# Altium PCB BLDC_DRIVER_v1.0.PcbDoc (part 2 of 3)
Units mm, origin at the board's own origin, x right, y up, seen from the top; angles counter-clockwise.
Board outline 152.4 x 101.6 mm, 6 copper layers (Top Layer, Internal Plane 1, Signal Layer 1, Signal Layer 2, Internal Plane 2, Bottom Layer), stack 1.3 mm thick; 189 components, 186 nets, 846 pads, 334 vias.
Unrouted connection lines stored in the file: 1.
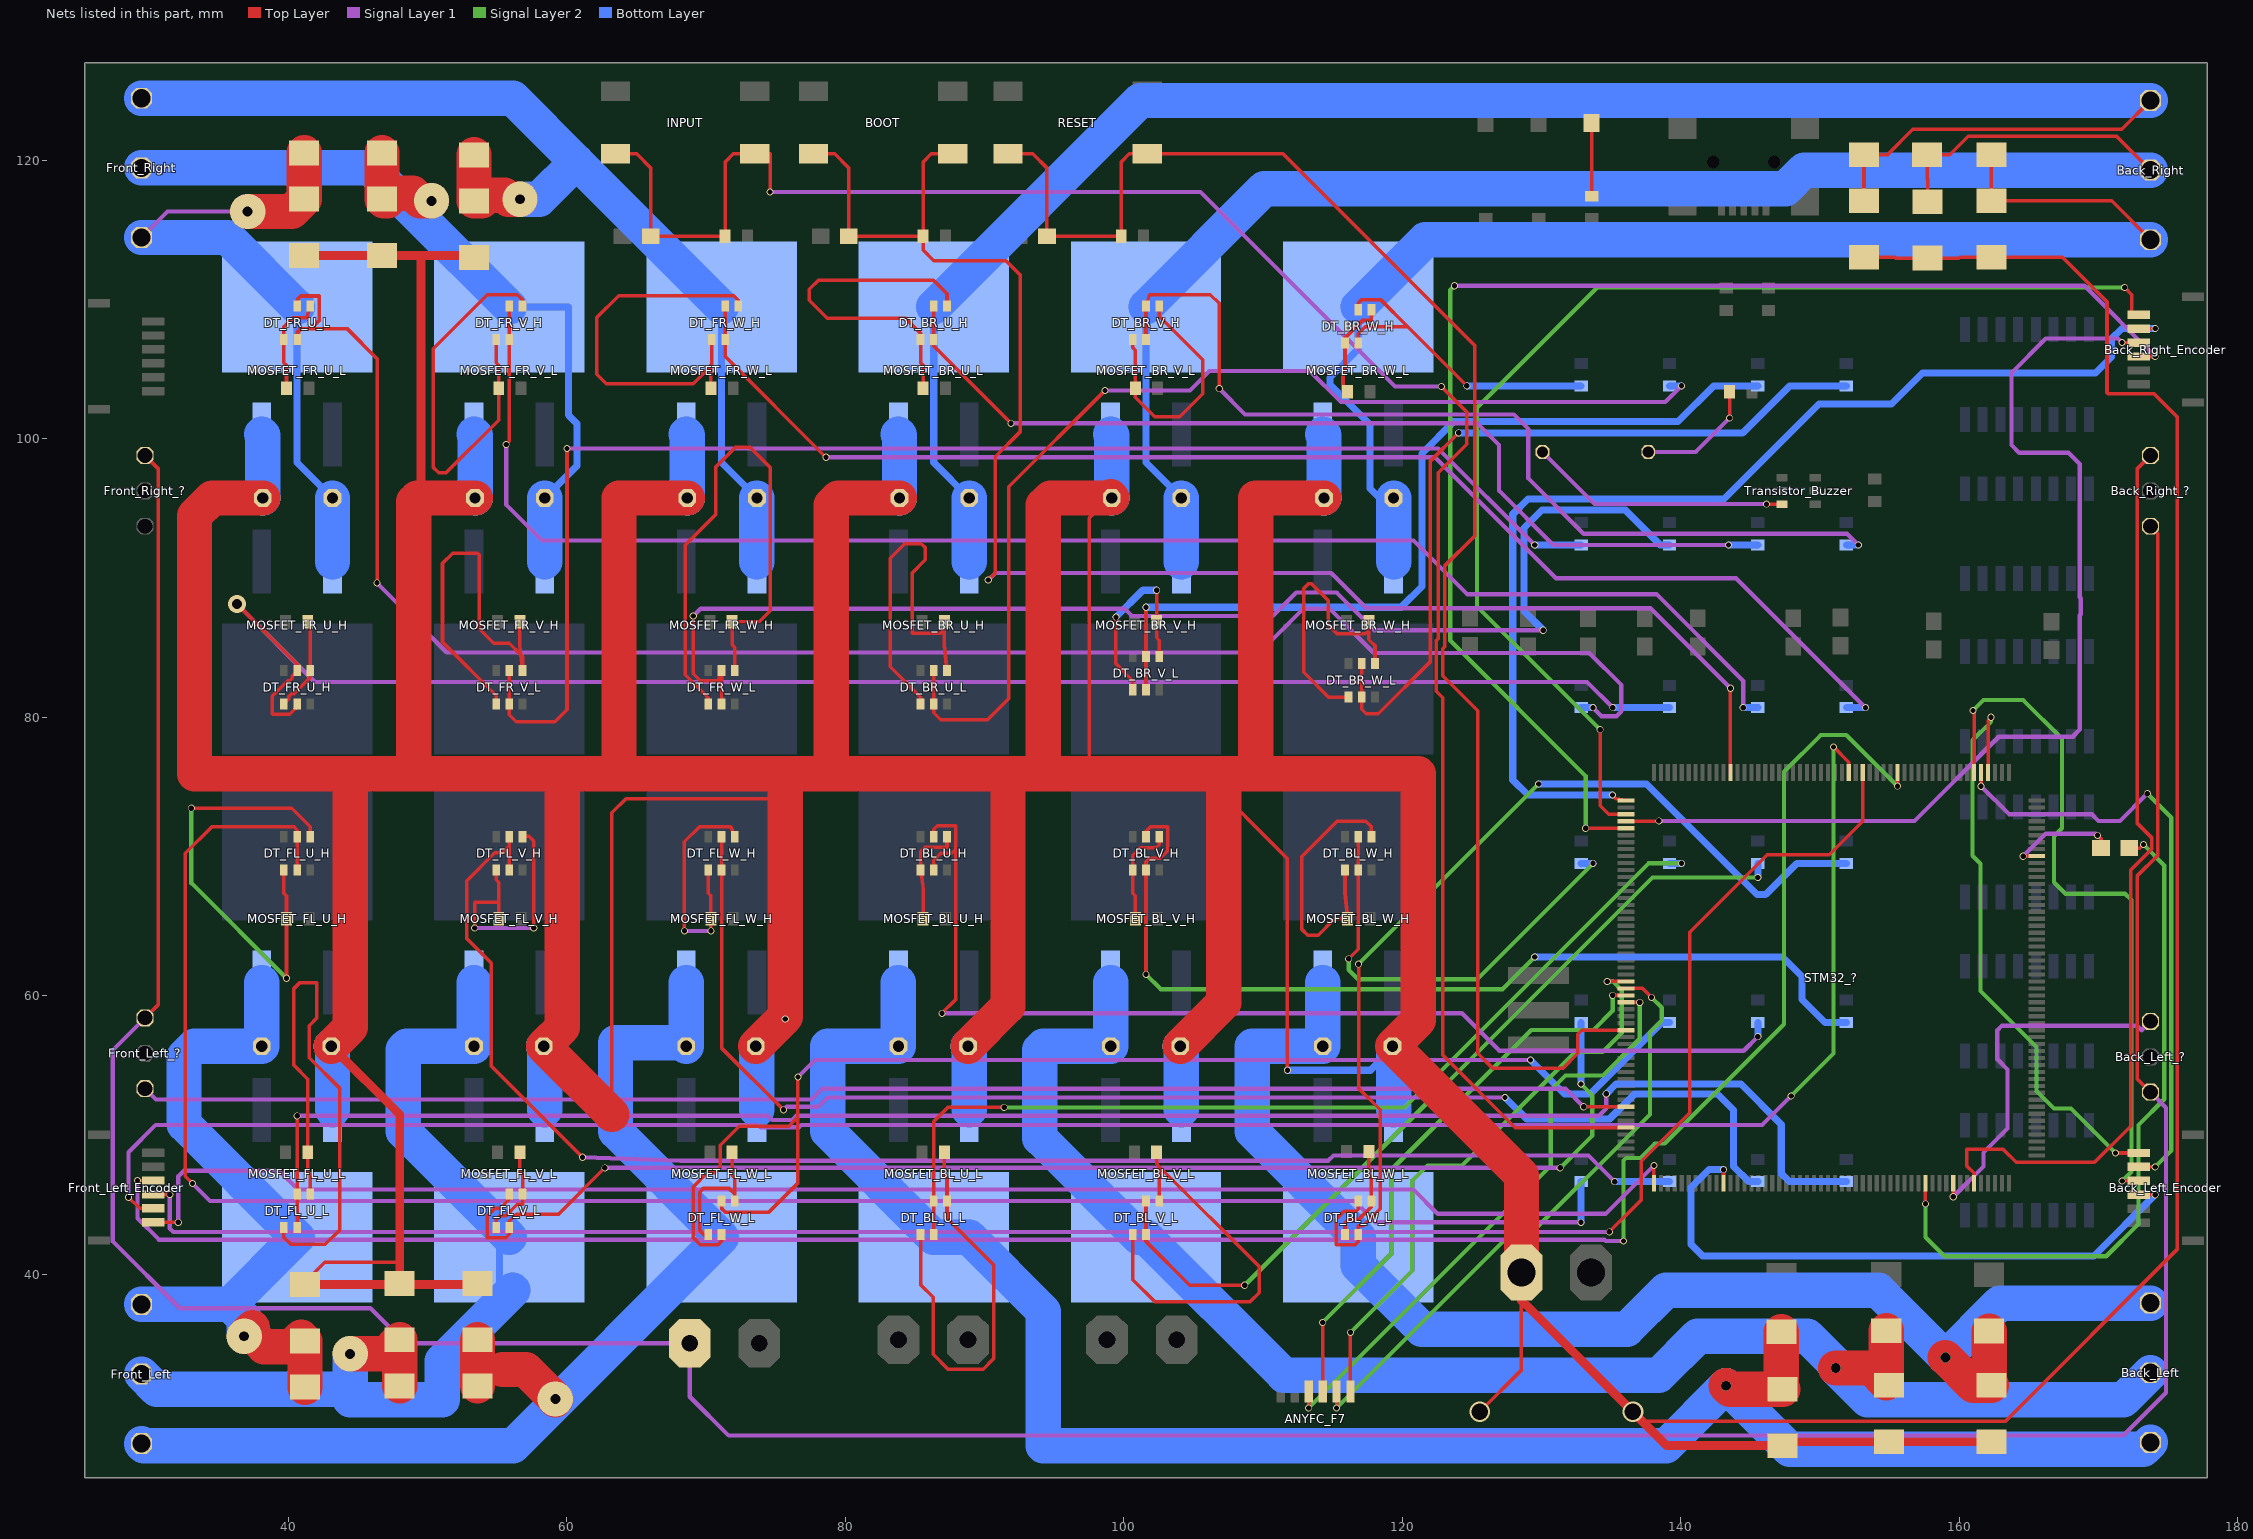
[diagram p6: the nets of this part, all layers, seen from the top]

## Via types
v1: diameter 0.508, hole 0.381, Top Layer to Bottom Layer, 316 vias
v2: diameter 2.54, hole 0.711, Top Layer to Bottom Layer, 7 vias
v3: diameter 1.27, hole 0.711, Top Layer to Bottom Layer, 6 vias
v4: diameter 0.711, hole 0.711, Top Layer to Bottom Layer, 3 vias
v5: diameter 1.5, hole 1.2, Top Layer to Bottom Layer, 2 vias

## Nets (pads, with @x,y where several pads share a name; then routed paths per layer and width w, separated by ;. In a path a pad name is that pad's centre, name@x,y a point inside that pad or via, vN(x,y) a via of type N, cw(c..) or ccw(c..) an arc to the next point about the centre after c; other vN are vias at no path point) (continued)
GND_MOTOR: C_BL_U.2 C_BL_V.2 C_BL_W.2 C_BR_U.2 C_BR_V.2 C_BR_W.2 C_FL_U.2 C_FL_V.2 C_FL_W.2 C_FR_U.2 C_FR_V.2 C_FR_W.2 MOSFET_BL_U_L.S MOSFET_BL_V_L.S MOSFET_BL_W_L.S MOSFET_BR_U_L.S MOSFET_BR_V_L.S MOSFET_BR_W_L.S MOSFET_FL_U_L.S MOSFET_FL_V_L.S MOSFET_FL_W_L.S MOSFET_FR_U_L.S MOSFET_FR_V_L.S MOSFET_FR_W_L.S MOTOR_Supply.1 Schottky_diode_BL_U_L.1 Schottky_diode_BL_V_L.1 Schottky_diode_BL_W_L.1 Schottky_diode_BR_U_L.1 Schottky_diode_BR_V_L.1 Schottky_diode_BR_W_L.1 Schottky_diode_FL_U_L.1 Schottky_diode_FL_V_L.1 Schottky_diode_FL_W_L.1 Schottky_diode_FR_U_L.1 Schottky_diode_FR_V_L.1 Schottky_diode_FR_W_L.1 | length 820.2
  Top Layer w0.254: Schottky_diode_FL_U_L.1@41.115,39.356 42.628,40.869 47.752,40.869 48.006,40.615 Schottky_diode_FL_V_L.1@48.006,39.356 ; 63.246,51.482 63.246,73.152 64.262,74.168 74.676,74.168 75.692,73.152 75.692,58.5 v1(75.692,58.34) ; C_BR_V.2@99.06,95.838 97.536,94.314 97.536,76.962 98.552,75.946 105.664,75.946 111.76,69.85 v1(111.76,54.661) ; v5(125.564,30.132) 128.564,33.132 128.564,38.125 ; MOTOR_Supply.1@128.564,40.132 128.564,38.132 128.564,38.125 ; Schottky_diode_BR_U_L.1@153.162,113.044 155.397,113.044 155.456,112.985 Schottky_diode_BR_V_L.1@157.734,112.985 159.969,112.985 160.028,113.044 Schottky_diode_BR_W_L.1@162.306,113.044 167.411,113.044 170.612,109.844 170.612,103.327 170.713,103.226 174.015,103.226 175.641,101.6 175.641,41.783 163.322,29.464 137.225,29.464 128.564,38.125
  Top Layer w0.635: Schottky_diode_FL_U_L.1@41.115,39.356 Schottky_diode_FL_U_L.1@41.202,39.269 53.507,39.269 Schottky_diode_FL_W_L.1@53.594,39.356 Schottky_diode_FL_W_L.1@53.608,39.37 ; Schottky_diode_FR_U_L.1@41.148,113.171 Schottky_diode_FR_V_L.1@46.736,113.171 49.53,113.171 ; C_FL_U.2@43.1,56.388 48.006,51.482 Schottky_diode_FL_V_L.1@48.006,39.356 ; 49.022,95.504 49.276,95.758 49.53,96.012 49.53,113.171 ; Schottky_diode_FR_W_L.1@53.34,113.03 53.199,113.171 49.53,113.171 ; MOTOR_Supply.1@128.564,40.132 128.564,38.132 v5(136.564,30.132) 138.996,27.7 Schottky_diode_BL_U_L.1@147.32,27.7 147.603,27.983 Schottky_diode_BL_V_L.1@154.945,27.983 Schottky_diode_BL_W_L.1@162.311,27.983
  Top Layer w2.54: C_FR_U.2@38.18,95.758 34.544,95.758 33.274,94.488 33.274,75.946 44.45,75.946 ; C_FL_U.2@43.1,56.388 44.45,57.738 44.45,75.946 ; 49.022,95.504 49.022,75.946 ; 49.276,95.758 C_FR_V.2@53.42,95.758 ; 63.246,51.482 C_FL_V.2@58.34,56.388 59.69,57.738 59.69,75.946 ; C_FR_W.2@68.66,95.758 63.754,95.758 63.754,75.946 ; C_FL_W.2@73.58,56.388 75.692,58.5 75.692,75.946 ; C_BR_U.2@83.9,95.758 79.502,95.758 78.994,95.25 78.994,75.946 ; C_BL_U.2@88.82,56.388 91.694,59.262 91.694,75.946 ; C_BR_V.2@99.06,95.838 C_BR_V.2@99.14,95.758 94.742,95.758 94.234,95.25 94.234,75.946 ; C_BL_V.2@104.06,56.388 107.188,59.516 107.188,75.946 ; C_BR_W.2@114.38,95.758 109.474,95.758 109.474,75.946 ; MOTOR_Supply.1@128.564,40.132 128.564,47.124 C_BL_W.2@119.3,56.388 121.158,58.246 121.158,75.946 109.474,75.946 ; 44.45,75.946 49.022,75.946 ; 49.022,75.946 59.69,75.946 ; 59.69,75.946 63.754,75.946 ; 63.754,75.946 75.692,75.946 ; 75.692,75.946 78.994,75.946 ; 78.994,75.946 91.694,75.946 ; 91.694,75.946 94.234,75.946 ; 94.234,75.946 107.188,75.946 ; 107.188,75.946 109.474,75.946
  Bottom Layer w0.508: C_FL_W.2@73.66,56.308 v1(75.692,58.34) ; v1(111.76,54.661) 117.733,54.661 C_BL_W.2@119.38,56.308
  Bottom Layer w2.54: MOSFET_FR_U_L.S@38.1,100.33 38.18,100.25 C_FR_U.2@38.18,95.758 ; C_FL_U.2@43.1,56.388 43.18,56.308 MOSFET_FL_U_L.S@43.18,51.816 ; MOSFET_FR_V_L.S@53.34,100.33 53.42,100.25 C_FR_V.2@53.42,95.758 ; C_FL_V.2@58.34,56.388 58.42,56.308 MOSFET_FL_V_L.S@58.42,51.816 ; MOSFET_FR_W_L.S@68.58,100.33 68.66,100.25 C_FR_W.2@68.66,95.758 ; MOSFET_FL_W_L.S@73.66,51.816 C_FL_W.2@73.66,56.308 ; MOSFET_BR_U_L.S@83.82,100.33 83.9,100.25 C_BR_U.2@83.9,95.758 ; C_BL_U.2@88.82,56.388 88.9,56.308 MOSFET_BL_U_L.S@88.9,51.816 ; MOSFET_BR_V_L.S@99.06,100.33 99.14,100.25 C_BR_V.2@99.14,95.758 ; C_BL_V.2@104.06,56.388 104.14,56.308 MOSFET_BL_V_L.S@104.14,51.816 ; MOSFET_BR_W_L.S@114.3,100.33 114.38,100.25 C_BR_W.2@114.38,95.758 ; MOSFET_BL_W_L.S@119.38,51.816 C_BL_W.2@119.38,56.308
GND_SERVO: Back_Left_?.1 Back_Right_?.1 Front_Left_?.1 Front_Right_?.1 Servo_Supply.1 | length 278.9
  Top Layer w0.254: Front_Left_?.1@29.718,58.42 30.683,59.385 30.683,97.841 Front_Right_?.1@29.718,98.806 ; Back_Left_?.1@173.736,53.086 172.771,54.051 172.771,68.605 174.269,70.104 174.269,93.193 Back_Right_?.1@173.736,93.726
  Signal Layer 1 w0.305: Front_Left_?.1@29.718,58.42 27.407,56.109 27.407,42.367 32.207,37.567 45.898,37.567 48.412,35.052 Servo_Supply.1@68.834,35.052 68.834,31.217 71.628,28.423 171.78,28.423 174.854,31.496 174.854,51.968 Back_Left_?.1@173.736,53.086
NetANYFC_F7_3: ANYFC_F7.3 STM32_?.30 | length 42.7
  Top Layer w0.254: v1(113.282,30.404) ANYFC_F7.3@113.282,31.586 ; STM32_?.30@136.072,59.538 v1(137.058,59.538)
  Signal Layer 2 w0.305: v1(113.282,30.404) 130.658,47.779 130.658,53.213 131.724,54.28 134.417,54.28 137.058,56.921 v1(137.058,59.538)
NetANYFC_F7_4: ANYFC_F7.4 STM32_?.29 | length 40.7
  Top Layer w0.254: ANYFC_F7.4@114.282,31.586 v1(114.282,36.551) ; v1(135.11,60.038) STM32_?.29@136.072,60.038
  Signal Layer 2 w0.305: v1(114.282,36.551) 119.253,41.522 119.253,47.549 129.261,57.556 133.739,57.556 135.11,58.928 v1(135.11,60.038)
NetANYFC_F7_5: ANYFC_F7.5 STM32_?.28 | length 43.6
  Top Layer w0.254: v1(115.282,30.404) ANYFC_F7.5@115.282,31.586 ; STM32_?.28@136.072,60.538 137.252,60.538 v1(137.897,59.893)
  Signal Layer 2 w0.305: v1(115.282,30.404) 127.372,42.494 128.803,42.494 137.795,51.486 137.795,57.404 138.633,58.242 138.633,59.157 v1(137.897,59.893)
NetANYFC_F7_6: ANYFC_F7.6 STM32_?.27 | length 42.2
  Top Layer w0.254: ANYFC_F7.6@116.282,31.586 v1(116.282,35.839) ; v1(134.722,61.036) 134.723,61.038 STM32_?.27@136.072,61.038
  Signal Layer 2 w0.305: v1(116.282,35.839) 120.726,40.284 120.726,46.736 121.818,47.828 124.281,47.828 132.421,55.968 134.405,55.968 135.77,57.332 135.77,60.394 135.128,61.036 v1(134.722,61.036)
NetB_1: B.1 R180_LED_B.2 | length 5.3
  Top Layer w0.254: R180_LED_B.2@133.604,117.424 B.1@133.604,122.682
NetBack_Left_1: Back_Left.1 C_BL_U.1 MOSFET_BL_U_H.S MOSFET_BL_U_L.D Schottky_diode_BL_U_H.1 Schottky_diode_BL_U_L.2 | length 138
  Top Layer w2.54: v4(143.256,32.004) 143.51,31.75 Schottky_diode_BL_U_L.2@147.32,31.75 147.228,31.842 Schottky_diode_BL_U_H.1@147.228,35.877
  Bottom Layer w2.54: MOSFET_BL_U_H.S@83.82,60.96 C_BL_U.1@83.82,56.388 78.74,56.388 78.74,50.286 MOSFET_BL_U_L.D@86.36,42.666 88.906,42.666 94.234,37.338 94.234,27.686 138.938,27.686 v4(143.256,32.004) 147.828,27.432 173.228,27.432 Back_Left.1@173.736,27.94
NetBack_Left_2: Back_Left.2 C_BL_V.1 MOSFET_BL_V_H.S MOSFET_BL_V_L.D Schottky_diode_BL_V_H.1 Schottky_diode_BL_V_L.2 | length 118.5
  Top Layer w0.254: Schottky_diode_BL_V_H.1@154.76,35.946 154.76,34.069 154.945,33.884 Schottky_diode_BL_V_L.2@154.945,32.033
  Top Layer w2.54: v4(151.13,33.274) 153.704,33.274 154.76,32.218 Schottky_diode_BL_V_H.1@154.76,35.946
  Bottom Layer w2.54: MOSFET_BL_V_H.S@99.06,60.96 C_BL_V.1@99.06,56.388 94.234,56.388 93.98,56.134 93.98,49.784 101.098,42.666 MOSFET_BL_V_L.D@101.6,42.666 111.5,32.766 138.43,32.766 141.224,35.56 149.098,35.56 v4@151.13,33.528 ; v4(151.13,33.274) 153.416,30.988 171.784,30.988 Back_Left.2@173.736,32.94
NetBack_Left_3: Back_Left.3 C_BL_W.1 MOSFET_BL_W_H.S MOSFET_BL_W_L.D Schottky_diode_BL_W_H.1 Schottky_diode_BL_W_L.2 | length 100.2
  Top Layer w2.54: v4(159.004,34.036) 161.007,32.033 Schottky_diode_BL_W_L.2@162.311,32.033 162.151,32.193 Schottky_diode_BL_W_H.1@162.151,35.926
  Bottom Layer w2.54: MOSFET_BL_W_H.S@114.3,60.96 C_BL_W.1@114.3,56.388 109.22,56.388 109.22,50.286 MOSFET_BL_W_L.D@116.84,42.666 116.84,40.64 121.412,36.068 136.144,36.068 138.938,38.862 154.178,38.862 v4(159.004,34.036) 162.908,37.94 Back_Left.3@173.736,37.94
NetBack_Left_?_3: Back_Left_?.3 STM32_?.96 | length 26.4
  Top Layer w0.254: v1(159.572,45.577) STM32_?.96@159.572,46.538
  Signal Layer 1 w0.305: v1(159.572,45.577) 161.747,47.752 161.747,48.743 163.474,50.47 163.474,54.712 162.738,55.448 162.738,57.531 163.068,57.861 172.771,57.861 173.101,57.531 Back_Left_?.3@173.736,58.166
NetBack_Left_Encoder_3: Back_Left_Encoder.3 STM32_?.63 | length 44.6
  Top Layer w0.254: STM32_?.63@143.072,46.538 143.072,47.517 v1(143.078,47.523) ; Back_Left_Encoder.3@172.884,45.718 v1(174.066,45.718)
  Bottom Layer w0.508: v1(143.078,47.523) 142.037,47.523 140.741,46.228 140.741,42.164 141.58,41.326 169.674,41.326 v1(174.066,45.718)
NetBack_Left_Encoder_4: Back_Left_Encoder.4 STM32_?.162 | length 50.6
  Top Layer w0.254: v1(160.985,80.493) 161.072,80.406 STM32_?.162@161.072,76.038 ; v1(171.704,46.711) 171.711,46.718 Back_Left_Encoder.4@172.884,46.718
  Signal Layer 2 w0.305: v1(160.985,80.493) 161.747,81.255 164.592,81.255 167.386,78.461 167.386,72.034 166.811,71.459 166.811,68.165 167.64,67.335 171.907,67.335 172.364,66.878 172.364,47.371 v1(171.704,46.711)
NetBack_Left_Encoder_5: Back_Left_Encoder.5 STM32_?.161 | length 43.9
  Top Layer w0.254: v1(161.569,75.057) 161.572,75.06 STM32_?.161@161.572,76.038 ; Back_Left_Encoder.5@172.884,47.718 v1(174.066,47.718)
  Signal Layer 1 w0.305: v1(161.569,75.057) 163.576,73.05 169.52,73.05 170.002,72.568 171.552,72.568 v1(173.507,74.524)
  Signal Layer 2 w0.305: v1(173.507,74.524) 175.235,72.796 175.235,48.886 v1(174.066,47.718)
NetBack_Left_Encoder_6: Back_Left_Encoder.6 STM32_?.160 | length 42.5
  Top Layer w0.254: STM32_?.160@162.072,76.038 162.072,79.801 v1(162.281,80.01) ; v1(171.221,48.718) Back_Left_Encoder.6@172.884,48.718
  Signal Layer 2 w0.305: v1(162.281,80.01) 162.281,79.68 160.96,78.359 160.96,70.068 161.536,69.493 161.536,60.359 165.557,56.337 165.557,53.162 166.802,51.918 168.022,51.918 v1(171.221,48.718)
NetBack_Right_1: Back_Right.1 C_BR_W.1 MOSFET_BR_W_H.S MOSFET_BR_W_L.D Schottky_diode_BR_W_H.1 Schottky_diode_BR_W_L.2 | length 96.4
  Top Layer w0.254: Schottky_diode_BR_W_H.1@162.306,120.41 Schottky_diode_BR_W_L.2@162.306,117.094 170.942,117.094 Back_Right.1@173.736,114.3
  Bottom Layer w0.508: MOSFET_BR_W_L.D@116.84,109.48 116.84,106.451 114.808,104.419 114.808,103.911 117.678,101.041 117.678,96.444 118.364,95.758 C_BR_W.1@119.38,95.758
  Bottom Layer w2.54: MOSFET_BR_W_L.D@116.84,109.48 121.66,114.3 Back_Right.1@173.736,114.3 ; MOSFET_BR_W_H.S@119.38,91.186 C_BR_W.1@119.38,95.758
NetBack_Right_2: Back_Right.2 C_BR_V.1 MOSFET_BR_V_H.S MOSFET_BR_V_L.D Schottky_diode_BR_V_H.1 Schottky_diode_BR_V_L.2 | length 116.5
  Top Layer w0.254: Schottky_diode_BR_V_L.2@157.734,117.035 157.734,118.669 157.688,118.715 Schottky_diode_BR_V_H.1@157.688,120.397 159.309,120.397 160.654,121.742 171.294,121.742 Back_Right.2@173.736,119.3
  Bottom Layer w0.508: MOSFET_BR_V_L.D@101.6,109.48 101.6,98.298 C_BR_V.1@104.14,95.758
  Bottom Layer w2.54: MOSFET_BR_V_L.D@101.6,109.48 110.08,117.96 147.523,117.96 148.863,119.3 Back_Right.2@173.736,119.3 ; MOSFET_BR_V_H.S@104.14,91.186 C_BR_V.1@104.14,95.758
NetBack_Right_3: Back_Right.3 C_BR_U.1 MOSFET_BR_U_H.S MOSFET_BR_U_L.D Schottky_diode_BR_U_H.1 Schottky_diode_BR_U_L.2 | length 138.4
  Top Layer w0.254: Schottky_diode_BR_U_L.2@153.162,117.094 Schottky_diode_BR_U_H.1@153.162,120.41 154.852,120.41 156.667,122.225 171.661,122.225 Back_Right.3@173.736,124.3
  Bottom Layer w0.508: MOSFET_BR_U_L.D@86.36,109.48 86.36,98.298 C_BR_U.1@88.9,95.758
  Bottom Layer w2.54: MOSFET_BR_U_L.D@86.36,109.48 101.18,124.3 Back_Right.3@173.736,124.3 ; MOSFET_BR_U_H.S@88.9,91.186 C_BR_U.1@88.9,95.758
NetBack_Right_?_3: Back_Right_?.3 STM32_?.99 | length 65.5
  Top Layer w0.254: STM32_?.99@161.072,46.538 161.072,47.259 160.545,47.786 160.545,48.971 163.17,48.971 164.097,48.044 169.71,48.044 172.314,50.648 172.314,69.037 173.812,70.536 173.812,71.374 172.771,72.415 172.771,97.841 Back_Right_?.3@173.736,98.806
NetBack_Right_Encoder_3: Back_Right_Encoder.3 STM32_?.5 | length 99.6
  Top Layer w0.254: v1(133.172,72.038) STM32_?.5@136.072,72.038 ; Back_Right_Encoder.3@172.884,105.916 v1(174.066,105.916)
  Signal Layer 1 w0.305: v1(123.749,110.998) 168.984,110.998 v1(174.066,105.916)
  Signal Layer 2 w0.305: v1(123.749,110.998) 123.444,110.693 123.444,85.522 133.172,75.794 v1(133.172,72.038)
NetBack_Right_Encoder_4: Back_Right_Encoder.4 STM32_?.4 | length 75.4
  Top Layer w0.254: STM32_?.4@136.072,72.538 138.4,72.538 v1(138.43,72.568) ; v1(171.689,106.916) Back_Right_Encoder.4@172.884,106.916
  Signal Layer 1 w0.305: v1(138.43,72.568) 156.794,72.568 162.839,78.613 168.148,78.613 168.656,79.121 168.656,87.338 168.732,87.414 168.732,88.557 168.656,88.633 168.656,98.196 167.843,99.009 164.304,99.009 163.745,99.568 163.745,104.741 166.218,107.213 171.392,107.213 v1(171.689,106.916)
NetBack_Right_Encoder_5: Back_Right_Encoder.5 STM32_?.1 | length 81.4
  Top Layer w0.254: v1(135.103,74.422) 135.357,74.168 STM32_?.1@136.072,74.038 ; Back_Right_Encoder.5@172.884,107.916 174.058,107.916 v1(174.066,107.925)
  Bottom Layer w0.508: v1(135.103,74.422) 129.032,74.422 127.94,75.514 127.94,94.59 129.032,95.682 143.097,95.682 149.929,102.514 155.143,102.514 157.353,104.724 169.774,104.724 170.942,105.893 170.942,107.188 171.679,107.925 v1(174.066,107.925)
NetBack_Right_Encoder_6: Back_Right_Encoder.6 STM32_?.3 | length 87.1
  Top Layer w0.254: v1(134.214,79.121) 134.214,73.66 134.836,73.038 STM32_?.3@136.072,73.038 ; v1(171.882,110.871) 172.39,110.363 172.39,108.916 Back_Right_Encoder.6@172.884,108.916
  Signal Layer 2 w0.305: v1(134.214,79.121) 125.374,87.96 125.374,102.235 134.01,110.871 v1(171.882,110.871)
NetBOOT_1: BOOT.1 BOOT.2 C100n_BOOT.1 R10k_BOOT.1 STM32_?.197 | length 115.5
  Top Layer w0.254: BOOT.2@77.724,120.468 79.248,120.468 80.264,119.452 C100n_BOOT.1@80.264,114.554 R10k_BOOT.1@85.598,114.554 ; BOOT.1@87.724,120.468 86.178,120.468 85.598,119.888 R10k_BOOT.1@85.598,114.554 ; v1(90.272,89.865) 90.78,90.373 90.78,98.725 92.583,100.528 92.583,111.76 91.542,112.801 86.36,112.801 85.598,113.563 R10k_BOOT.1@85.598,114.554 ; STM32_?.197@143.572,76.038 v1(143.572,82.093)
  Signal Layer 1 w0.305: v1(90.272,89.865) 90.78,90.373 114.907,90.373 117.447,87.833 137.832,87.833 v1(143.572,82.093)
NetBuzzer_1: Buzzer.1 Transistor_Buzzer.6 | length 18.7
  Top Layer w0.254: v1(146.162,95.316) Transistor_Buzzer.6@147.262,95.316
  Signal Layer 1 w0.305: Buzzer.1@130.068,99.06 133.812,95.316 v1(146.162,95.316)
NetBuzzer_2: Buzzer.2 R_Buzzer.1 | length 8.7
  Top Layer w0.254: v1(143.51,101.498) R_Buzzer.1@143.51,103.378
  Signal Layer 1 w0.305: Buzzer.2@137.668,99.06 141.072,99.06 v1(143.51,101.498)
NetC2u2-ESRmax2_1: C2u2-ESRmax2.1 STM32_?.148 | length 8.1
  Top Layer w0.254: v1(164.592,70.028) 164.602,70.038 STM32_?.148@165.572,70.038 ; v1(169.926,71.526) 170.18,71.272 C2u2-ESRmax2.1@170.18,70.612
  Signal Layer 1 w0.305: v1(164.592,70.028) 166.206,71.642 169.811,71.642 v1(169.926,71.526)
NetC2u2-ESRmax2_2: C2u2-ESRmax2.2 STM32_?.92 | length 50.5
  Top Layer w0.254: STM32_?.92@157.572,46.538 157.572,45.079 v1(157.582,45.069) ; C2u2-ESRmax2.2@172.212,70.612 172.974,70.612 v1(173.228,70.866)
  Signal Layer 2 w0.305: v1(157.582,45.069) 157.582,42.672 158.953,41.3 170.561,41.3 172.872,43.612 172.872,50.724 174.727,52.578 174.727,69.367 v1(173.228,70.866)
NetC100n_IN_1: C100n_IN.1 INPUT.1 INPUT.2 R10k_IN.1 STM32_?.48 | length 143.9
  Top Layer w0.254: INPUT.2@63.5,120.468 65.024,120.468 66.04,119.452 C100n_IN.1@66.04,114.554 R10k_IN.1@71.374,114.554 71.374,119.888 71.954,120.468 INPUT.1@73.5,120.468 74.6,120.468 v1(74.6,117.729) ; v1(122.809,103.759) 124.638,101.93 124.638,99.619 122.58,97.561 122.58,85.649 122.453,85.522 122.453,81.869 122.911,81.412 122.911,55.753 128.126,50.538 STM32_?.48@136.072,50.538
  Signal Layer 1 w0.305: v1(74.6,117.729) 105.512,117.729 119.482,103.759 v1(122.809,103.759)
NetC100n_RST_1: C100n_RST.1 R10k_RST.1 RESET.1 RESET.2 STM32_?.34 | length 116
  Top Layer w0.254: RESET.2@91.694,120.468 93.472,120.468 94.488,119.452 C100n_RST.1@94.488,114.554 R10k_RST.1@99.822,114.554 99.822,119.888 100.402,120.468 RESET.1@101.694,120.468 111.434,120.468 125.222,106.68 125.222,93.053 123.038,90.868 123.038,85.065 122.911,84.938 122.911,82.982 125.425,80.467 125.425,55.88 126.517,54.788 131.521,54.788 132.613,55.88 132.613,57.252 132.899,57.538 STM32_?.34@136.072,57.538
NetC_FL_U_1: C_FL_U.1 Front_Left.1 MOSFET_FL_U_H.S MOSFET_FL_U_L.D Schottky_diode_FL_U_H.1 Schottky_diode_FL_U_L.2 | length 52.1
  Top Layer w0.254: Schottky_diode_FL_U_L.2@40.928,35.493 41.202,35.493 Schottky_diode_FL_U_L.2@41.202,35.219
  Top Layer w2.54: v2@37.439,36.169 v2(36.83,35.56) 37.512,35.56 38.259,34.813 40.248,34.813 Schottky_diode_FL_U_L.2@40.928,35.493 ; Schottky_diode_FL_U_H.1@41.202,31.903 Schottky_diode_FL_U_L.2@41.202,35.219
  Bottom Layer w2.54: Front_Left.1@29.464,37.846 35.82,37.846 ; v2(36.83,35.56) 36.83,36.836 35.82,37.846 ; MOSFET_FL_U_H.S@38.1,60.96 C_FL_U.1@38.1,56.388 33.274,56.388 32.512,55.626 32.512,50.794 MOSFET_FL_U_L.D@40.64,42.666 35.82,37.846
NetC_FL_V_1: C_FL_V.1 Front_Left.2 MOSFET_FL_V_H.S MOSFET_FL_V_L.D Schottky_diode_FL_V_H.1 Schottky_diode_FL_V_L.2 | length 74.5
  Top Layer w2.54: v2(44.45,34.29) 46.99,34.29 Schottky_diode_FL_V_L.2@48.006,35.306 Schottky_diode_FL_V_H.1@48.006,31.99
  Bottom Layer w0.508: MOSFET_FL_V_L.D@55.88,42.666 55.169,42.666 55.169,38.856 MOSFET_FL_V_L.D@56.134,38.856
  Bottom Layer w2.54: Front_Left.2@29.464,32.846 30.56,31.75 44.45,31.75 ; v2(44.45,34.29) 44.45,31.75 ; MOSFET_FL_V_H.S@53.34,60.96 C_FL_V.1@53.34,56.388 48.514,56.388 48.26,56.134 48.26,50.286 MOSFET_FL_V_L.D@55.88,42.666 ; MOSFET_FL_V_L.D@56.134,38.856 51.054,33.776 51.054,30.988 44.45,30.988 44.45,31.75
NetC_FL_W_1: C_FL_W.1 Front_Left.3 MOSFET_FL_W_H.S MOSFET_FL_W_L.D Schottky_diode_FL_W_H.1 Schottky_diode_FL_W_L.2 | length 85.6
  Top Layer w0.254: Schottky_diode_FL_W_H.1@53.594,31.99 53.594,32.182 54.026,32.614 54.026,33.172 55.412,33.172
  Top Layer w2.54: Schottky_diode_FL_W_H.1@53.594,31.99 Schottky_diode_FL_W_L.2@53.594,35.306 ; 55.412,33.172 57.06,33.172 v2(59.182,31.05) v2@59.182,30.988
  Bottom Layer w2.54: Front_Left.3@29.464,27.846 29.624,27.686 56.14,27.686 MOSFET_FL_W_L.D@71.12,42.666 63.5,50.286 63.5,56.642 68.326,56.642 C_FL_W.1@68.58,56.388 MOSFET_FL_W_H.S@68.58,60.96
NetC_FR_U_1: C_FR_U.1 Front_Right.3 MOSFET_FR_U_H.S MOSFET_FR_U_L.D Schottky_diode_FR_U_H.1 Schottky_diode_FR_U_L.2 | length 48.7
  Top Layer w2.54: v2(37.084,116.332) 40.259,116.332 Schottky_diode_FR_U_L.2@41.148,117.221 Schottky_diode_FR_U_H.1@41.148,120.537
  Signal Layer 1 w0.305: Front_Right.3@29.464,114.46 31.336,116.332 v2(37.084,116.332)
  Bottom Layer w0.508: MOSFET_FR_U_L.D@40.64,109.48 40.64,98.298 C_FR_U.1@43.18,95.758
  Bottom Layer w2.54: Front_Right.3@29.464,114.46 35.66,114.46 MOSFET_FR_U_L.D@40.64,109.48 ; MOSFET_FR_U_H.S@43.18,91.186 C_FR_U.1@43.18,95.758
NetC_FR_V_1: C_FR_V.1 Front_Right.2 MOSFET_FR_V_H.S MOSFET_FR_V_L.D Schottky_diode_FR_V_H.1 Schottky_diode_FR_V_L.2 | length 63.5
  Top Layer w2.54: Schottky_diode_FR_V_H.1@46.736,120.537 Schottky_diode_FR_V_L.2@46.736,117.221 46.863,117.094 47.157,117.094 47.157,117.627 48.932,117.627 49.465,117.094 v2(50.292,117.094)
  Bottom Layer w0.508: MOSFET_FR_V_L.D@55.88,109.48 60.122,109.48 60.122,101.702 60.731,101.092 60.731,98.069 C_FR_V.1@58.42,95.758
  Bottom Layer w2.54: Front_Right.2@29.464,119.46 45.9,119.46 49.152,116.208 ; v2(50.292,117.094) 50.038,117.094 49.152,116.208 ; MOSFET_FR_V_L.D@55.88,109.48 49.152,116.208 ; MOSFET_FR_V_H.S@58.42,91.186 C_FR_V.1@58.42,95.758
NetC_FR_W_1: C_FR_W.1 Front_Right.1 MOSFET_FR_W_H.S MOSFET_FR_W_L.D Schottky_diode_FR_W_H.1 Schottky_diode_FR_W_L.2 | length 79.5
  Top Layer w2.54: Schottky_diode_FR_W_H.1@53.34,120.396 Schottky_diode_FR_W_L.2@53.34,117.08 53.888,117.08 53.888,117.486 55.536,117.486 55.815,117.207 v2(56.642,117.207)
  Bottom Layer w0.508: MOSFET_FR_W_L.D@71.12,109.48 71.12,98.298 C_FR_W.1@73.66,95.758
  Bottom Layer w2.54: Front_Right.1@29.464,124.46 56.14,124.46 60.706,119.894 ; v2(56.642,117.207) 58.019,117.207 60.706,119.894 ; MOSFET_FR_W_L.D@71.12,109.48 60.706,119.894 ; MOSFET_FR_W_H.S@73.66,91.186 C_FR_W.1@73.66,95.758
NetDT_BL_U_H_1: DT_BL_U_H.1 DT_BL_U_H.4 R_BL_U_H.1 | length 7.6
  Top Layer w0.254: R_BL_U_H.1@85.598,65.532 85.598,67.732 DT_BL_U_H.4@85.41,69.03 85.41,70.358 85.74,70.688 87.31,70.688 DT_BL_U_H.1@87.31,71.43
NetDT_BL_U_H_2: DT_BL_U_H.2 DT_BL_U_H.5 R_DT_BL_U_H.2 | length 79.8
  Top Layer w0.254: DT_BL_U_H.5@86.36,69.03 86.36,69.723 86.868,70.231 87.63,70.231 87.935,70.536 ; DT_BL_U_H.2@86.36,71.43 86.36,71.958 86.614,72.212 87.935,72.212 87.935,70.536 ; v1(86.944,58.75) 87.935,59.741 87.935,70.536
  Signal Layer 1 w0.305: v1(86.944,58.75) 124.282,58.75 126.975,56.058 144.526,56.058 v1(145.542,57.074)
  Bottom Layer w0.508: v1(145.542,57.074) R_DT_BL_U_H.2@145.542,58.09
NetDT_BL_U_L_1: DT_BL_U_L.1 DT_BL_U_L.4 R_BL_U_L.1 | length 30.4
  Top Layer w0.254: DT_BL_U_L.4@85.41,42.868 85.41,39.253 86.309,38.354 86.309,34.265 87.376,33.198 89.916,33.198 90.653,33.934 90.653,40.701 87.31,44.044 DT_BL_U_L.1@87.31,45.268 87.31,46.914 87.122,47.102 R_BL_U_L.1@87.122,48.768
NetDT_BL_U_L_2: DT_BL_U_L.2 DT_BL_U_L.5 R_DT_BL_U_L.2 | length 70.3
  Top Layer w0.254: DT_BL_U_L.5@86.36,42.868 DT_BL_U_L.2@86.36,45.268 86.36,50.978 87.376,51.994 v1(91.415,51.994)
  Signal Layer 2 w0.305: v1(91.415,51.994) 120.167,51.994 137.693,69.52 v1(140.056,69.52)
  Bottom Layer w0.508: R_DT_BL_U_L.2@139.192,69.52 v1(140.056,69.52)
NetDT_BL_V_H_1: DT_BL_V_H.1 DT_BL_V_H.4 R_BL_V_H.1 | length 7.4
  Top Layer w0.254: R_BL_V_H.1@100.838,65.532 100.838,67.183 100.65,67.371 DT_BL_V_H.4@100.65,69.03 100.65,70.104 101.172,70.626 102.31,70.626 102.55,70.866 DT_BL_V_H.1@102.55,71.43
NetDT_BL_V_H_2: DT_BL_V_H.2 DT_BL_V_H.5 R_DT_BL_V_H.2 | length 68.4
  Top Layer w0.254: v1(101.6,61.544) DT_BL_V_H.5@101.6,69.03 101.6,69.621 101.854,69.875 102.616,69.875 103.155,70.415 103.155,72.16 101.93,72.16 101.6,71.83 DT_BL_V_H.2@101.6,71.43
  Signal Layer 2 w0.305: v1(101.6,61.544) 102.667,60.477 127.203,60.477 v1(129.515,62.789)
  Bottom Layer w0.508: v1(129.515,62.789) 147.32,62.789 148.717,61.392 148.717,59.741 150.368,58.09 R_DT_BL_V_H.2@151.892,58.09
NetDT_BL_V_L_1: DT_BL_V_L.1 DT_BL_V_L.4 R_BL_V_L.1 | length 28.8
  Top Layer w0.254: DT_BL_V_L.4@100.65,42.868 100.65,39.624 102.225,38.049 109.093,38.049 109.728,38.684 109.728,40.564 102.55,47.742 ; R_BL_V_L.1@102.362,48.768 102.362,47.93 102.55,47.742 ; DT_BL_V_L.1@102.55,45.268 102.55,47.742
NetDT_BL_V_L_2: DT_BL_V_L.2 DT_BL_V_L.5 R_DT_BL_V_L.2 | length 61.3
  Top Layer w0.254: DT_BL_V_L.2@101.6,45.268 DT_BL_V_L.5@101.6,42.868 101.6,42.367 104.75,39.218 v1(108.687,39.218)
  Signal Layer 2 w0.305: v1(108.687,39.218) 137.973,68.504 v1(145.542,68.504)
  Bottom Layer w0.508: v1(145.542,68.504) R_DT_BL_V_L.2@145.542,69.52
NetDT_BL_W_H_1: DT_BL_W_H.1 DT_BL_W_H.4 R_BL_W_H.1 | length 19.6
  Top Layer w0.254: DT_BL_W_H.4@115.89,69.03 115.89,67.371 R_BL_W_H.1@116.078,65.532 115.137,65.532 113.969,64.364 113.207,64.364 112.801,64.77 112.801,70.027 115.316,72.542 117.384,72.542 117.79,72.136 DT_BL_W_H.1@117.79,71.43
NetDT_BL_W_H_2: DT_BL_W_H.2 DT_BL_W_H.5 R_DT_BL_W_H.2 | length 32
  Top Layer w0.254: v1(116.154,62.662) 116.84,63.348 DT_BL_W_H.5@116.84,69.03 DT_BL_W_H.2@116.84,71.43
  Signal Layer 2 w0.305: v1(116.154,62.662) 116.154,61.874 116.84,61.189 125.374,61.189 v1(133.706,69.52)
  Bottom Layer w0.508: R_DT_BL_W_H.2@132.842,69.52 v1(133.706,69.52)
NetDT_BL_W_L_1: DT_BL_W_L.1 DT_BL_W_L.4 R_BL_W_L.1 | length 7.2
  Top Layer w0.254: DT_BL_W_L.4@115.89,42.868 115.89,43.688 116.144,43.942 116.865,43.942 117.79,44.867 DT_BL_W_L.1@117.79,45.268 117.79,46.939 117.602,47.127 R_BL_W_L.1@117.602,48.826
NetDT_BL_W_L_2: DT_BL_W_L.2 DT_BL_W_L.5 R_DT_BL_W_L.2 | length 72
  Top Layer w0.254: DT_BL_W_L.2@116.84,45.268 116.84,44.679 116.688,44.526 115.824,44.526 115.265,43.967 115.265,42.138 116.636,42.138 116.84,42.342 DT_BL_W_L.5@116.84,42.868 116.84,43.485 117.196,43.485 118.415,44.704 118.415,51.816 116.865,53.365 v1(116.865,62.281)
  Signal Layer 2 w0.305: v1(116.865,62.281) v1(129.794,75.209)
  Bottom Layer w0.508: v1(129.794,75.209) 137.541,75.209 145.466,67.285 146.101,67.285 148.336,69.52 R_DT_BL_W_L.2@151.892,69.52
NetDT_BR_U_H_1: DT_BR_U_H.1 DT_BR_U_H.4 R_BR_U_H.1 | length 25.3
  Top Layer w0.254: R_BR_U_H.1@85.598,103.632 85.598,105.283 85.41,105.471 DT_BR_U_H.4@85.41,107.13 85.41,107.579 84.328,108.661 78.715,108.661 77.419,109.957 77.419,110.744 78.08,111.404 86.335,111.404 87.31,110.429 DT_BR_U_H.1@87.31,109.53
NetDT_BR_U_H_2: DT_BR_U_H.2 DT_BR_U_H.5 R_DT_BR_U_H.2 | length 69.9
  Top Layer w0.254: DT_BR_U_H.2@86.36,109.53 DT_BR_U_H.5@86.36,107.13 86.36,106.667 v1(91.91,101.117)
  Signal Layer 1 w0.305: v1(91.91,101.117) 125.4,101.117 126.949,99.568 126.949,96.281 130.851,92.38 v1(143.434,92.38)
  Bottom Layer w0.508: v1(143.434,92.38) R_DT_BR_U_H.2@145.542,92.38
NetDT_BR_U_L_1: DT_BR_U_L.1 DT_BR_U_L.4 R_BR_U_L.1 | length 26.9
  Top Layer w0.254: DT_BR_U_L.4@85.41,80.968 85.41,81.458 83.236,83.632 83.236,91.44 84.277,92.481 85.471,92.481 85.75,92.202 85.75,91.313 84.798,90.361 84.798,86.055 86.868,86.055 87.122,86.309 ; R_BR_U_L.1@87.122,86.868 87.122,86.309 ; DT_BR_U_L.1@87.31,83.368 87.122,85.202 87.122,86.309
NetDT_BR_U_L_2: DT_BR_U_L.2 DT_BR_U_L.5 R_DT_BR_U_L.2 | length 78.5
  Top Layer w0.254: DT_BR_U_L.2@86.36,83.368 DT_BR_U_L.5@86.36,80.968 86.36,80.34 86.868,79.832 90.221,79.832 91.745,81.356 91.745,96.571 v1(98.654,103.48)
  Signal Layer 1 w0.305: v1(98.654,103.48) 104.751,103.48 106.148,104.877 113.36,104.877 115.595,102.641 138.887,102.641 v1(140.056,103.81)
  Bottom Layer w0.508: R_DT_BR_U_L.2@139.192,103.81 v1(140.056,103.81)
NetDT_BR_V_H_1: DT_BR_V_H.1 DT_BR_V_H.4 R_BR_V_H.1 | length 17.9
  Top Layer w0.254: DT_BR_V_H.4@100.65,107.13 100.65,106.563 100.838,106.375 R_BR_V_H.1@100.838,103.632 100.838,102.997 102.235,101.6 104.013,101.6 105.664,103.251 105.664,105.692 102.55,108.806 DT_BR_V_H.1@102.55,109.53
NetDT_BR_V_H_2: DT_BR_V_H.2 DT_BR_V_H.5 R_DT_BR_V_H.2 | length 68.1
  Top Layer w0.254: DT_BR_V_H.5@101.6,107.13 DT_BR_V_H.2@101.6,109.53 101.854,110.363 106.223,110.363 106.858,109.728 v1(106.858,103.607)
  Signal Layer 1 w0.305: v1(106.858,103.607) 108.712,101.752 128.016,101.752 129.057,100.711 129.057,97.165 133.03,93.193 151.943,93.193 v1(152.756,92.38)
  Bottom Layer w0.508: R_DT_BR_V_H.2@151.892,92.38 v1(152.756,92.38)
NetDT_BR_V_L_1: DT_BR_V_L.1 DT_BR_V_L.4 R_BR_V_L.1 | length 14.3
  Top Layer w0.254: v1(99.441,87.198) 99.441,83.845 100.65,82.636 DT_BR_V_L.4@100.65,81.984 ; v1(102.362,89.129) R_BR_V_L.1@102.362,86.868 102.362,85.71 102.55,85.522 DT_BR_V_L.1@102.55,84.384
  Bottom Layer w0.508: v1(99.441,87.198) 101.371,89.129 v1(102.362,89.129)
NetDT_BR_V_L_2: DT_BR_V_L.2 DT_BR_V_L.5 R_DT_BR_V_L.2 | length 62
  Top Layer w0.254: DT_BR_V_L.5@101.6,81.984 DT_BR_V_L.2@101.6,84.384 v1(101.6,87.909)
  Bottom Layer w0.508: v1(101.6,87.909) 119.913,87.909 121.412,89.408 121.412,98.958 123.698,101.244 139.802,101.244 142.367,103.81 R_DT_BR_V_L.2@145.542,103.81
NetDT_BR_W_H_1: DT_BR_W_H.1 DT_BR_W_H.4 R_BR_W_H.1 | length 7.4
  Top Layer w0.254: R_BR_W_H.1@116.078,103.378 115.748,103.378 115.748,104.826 115.89,104.968 DT_BR_W_H.4@115.89,106.876 115.89,107.24 117.184,108.534 117.79,108.534 DT_BR_W_H.1@117.79,109.276
NetDT_BR_W_H_2: DT_BR_W_H.2 DT_BR_W_H.5 R_DT_BR_W_H.2 | length 23.6
  Top Layer w0.254: DT_BR_W_H.5@116.84,106.876 116.84,107.544 117.348,108.052 120.396,108.052 ; DT_BR_W_H.2@116.84,109.276 116.84,109.753 117.094,110.007 118.44,110.007 120.396,108.052 ; v1(124.638,103.81) 120.396,108.052
  Bottom Layer w0.508: v1(124.638,103.81) R_DT_BR_W_H.2@132.842,103.81
NetDT_BR_W_L_1: DT_BR_W_L.1 DT_BR_W_L.4 R_BR_W_L.1 | length 20.6
  Top Layer w0.254: DT_BR_W_L.4@116.144,81.476 116.144,81.458 114.706,81.458 112.928,83.236 112.928,89.256 113.284,89.611 113.462,89.611 114.681,88.392 114.681,86.639 115.316,86.004 117.348,86.004 117.602,86.258 ; R_BR_W_L.1@117.602,86.868 117.602,86.258 ; DT_BR_W_L.1@118.044,83.876 118.044,85.141 117.602,85.583 117.602,86.258
NetDT_BR_W_L_2: DT_BR_W_L.2 DT_BR_W_L.5 R_DT_BR_W_L.2 | length 56.4
  Top Layer w0.254: DT_BR_W_L.2@117.094,83.876 DT_BR_W_L.5@117.094,81.476 117.094,80.594 117.424,80.264 118.288,80.264 121.996,83.972 121.996,98.374 v1(124.054,100.432)
  Bottom Layer w0.508: v1(124.054,100.432) 144.45,100.432 147.828,103.81 R_DT_BR_W_L.2@151.892,103.81
NetDT_FL_U_H_1: DT_FL_U_H.1 DT_FL_U_H.4 R_FL_U_H.1 | length 32.7
  Top Layer w0.254: v1(33.045,73.482) 40.244,73.482 41.59,72.136 DT_FL_U_H.1@41.59,71.43 ; DT_FL_U_H.4@39.69,69.03 39.69,67.371 39.878,67.183 R_FL_U_H.1@39.878,65.532 v1(39.878,61.265)
  Signal Layer 2 w0.305: v1(33.045,73.482) 33.045,68.097 v1(39.878,61.265)
NetDT_FL_U_H_2: DT_FL_U_H.2 DT_FL_U_H.5 R_DT_FL_U_H.2 | length 139.5
  Top Layer w0.254: v1(33.122,46.533) 32.614,47.041 32.614,70.231 34.544,72.161 40.386,72.161 40.64,71.907 DT_FL_U_H.2@40.64,71.43 DT_FL_U_H.5@40.64,69.03
  Signal Layer 1 w0.305: v1(33.122,46.533) 34.392,45.263 116.561,45.263 118.085,43.739 v1(132.842,43.739)
  Bottom Layer w0.508: v1(132.842,43.739) R_DT_FL_U_H.2@132.842,46.66
NetDT_FL_U_L_1: DT_FL_U_L.1 DT_FL_U_L.4 R_FL_U_L.1 | length 41.3
  Top Layer w0.254: DT_FL_U_L.4@39.69,43.376 39.69,42.672 40.198,42.164 42.672,42.164 43.688,43.18 43.688,53.381 41.5,55.569 41.5,57.857 42.062,58.42 42.062,60.909 42.012,60.96 40.843,60.96 40.411,60.528 40.411,55.016 41.402,54.026 R_FL_U_L.1@41.402,48.768 41.402,47.356 41.59,47.168 DT_FL_U_L.1@41.59,45.776
NetDT_FL_U_L_2: DT_FL_U_L.2 DT_FL_U_L.5 R_DT_FL_U_L.2 | length 126
  Top Layer w0.254: DT_FL_U_L.5@40.64,43.376 DT_FL_U_L.2@40.64,45.776 v1(40.64,51.384)
  Signal Layer 1 w0.305: v1(40.64,51.384) 74.447,51.384 74.752,51.079 76.175,51.079 76.479,51.384 134.112,51.384 134.652,51.924 v1(134.652,52.966)
  Bottom Layer w0.508: v1(134.652,52.966) 135.361,53.675 144.319,53.675 147.218,50.775 147.218,47.244 147.803,46.66 R_DT_FL_U_L.2@151.892,46.66
NetDT_FL_V_H_1: DT_FL_V_H.1 DT_FL_V_H.4 R_FL_V_H.1 | length 18.6
  Top Layer w0.254: v1(53.391,64.872) 53.391,66.736 55.118,66.736 ; DT_FL_V_H.4@54.93,69.03 54.93,68.331 55.118,68.143 55.118,66.736 ; R_FL_V_H.1@55.118,65.532 55.118,66.736 ; DT_FL_V_H.1@56.83,71.43 56.83,71.45 57.302,71.45 57.633,71.12 v1(57.633,64.872)
  Signal Layer 1 w0.305: v1(53.391,64.872) v1(57.633,64.872)
NetDT_FL_V_H_2: DT_FL_V_H.2 DT_FL_V_H.5 R_DT_FL_V_H.2 | length 108.8
  Top Layer w0.254: DT_FL_V_H.5@55.88,69.03 55.88,70.776 ; DT_FL_V_H.2@55.88,71.43 55.88,70.776 ; v1(61.138,48.412) 54.585,54.966 54.585,62.357 52.807,64.135 52.807,68.242 54.833,70.268 55.372,70.268 55.88,70.776
  Signal Layer 1 w0.305: v1(61.138,48.412) 68.148,48.158 114.681,48.158 115.062,48.539 133.375,48.539 v1(135.255,46.66)
  Bottom Layer w0.508: v1(135.255,46.66) R_DT_FL_V_H.2@139.192,46.66
NetDT_FL_V_L_1: DT_FL_V_L.1 DT_FL_V_L.4 R_FL_V_L.1 | length 6.7
  Top Layer w0.254: DT_FL_V_L.4@54.93,43.376 54.93,43.942 55.184,44.196 55.6,44.196 56.438,45.034 56.83,45.034 DT_FL_V_L.1@56.83,45.776 56.83,47.168 56.642,47.356 R_FL_V_L.1@56.642,48.768
NetDT_FL_V_L_2: DT_FL_V_L.2 DT_FL_V_L.5 R_DT_FL_V_L.2 | length 95.4
  Top Layer w0.254: DT_FL_V_L.2@55.88,45.776 55.88,45.391 55.23,44.741 54.85,44.741 54.305,44.196 54.305,42.621 55.626,42.621 55.88,42.875 DT_FL_V_L.5@55.88,43.376 55.88,43.815 56.388,44.323 59.411,44.323 v1(62.738,47.65)
  Signal Layer 1 w0.305: v1(62.738,47.65) v1(131.343,47.65)
  Signal Layer 2 w0.305: v1(131.343,47.65) 133.655,49.962 133.655,52.857 v1(132.842,53.67)
  Bottom Layer w0.508: v1(132.842,53.67) R_DT_FL_V_L.2@132.842,58.09
NetDT_FL_W_H_1: DT_FL_W_H.1 DT_FL_W_H.4 R_FL_W_H.1 | length 17.3
  Top Layer w0.254: v1(68.453,64.668) 68.453,71.069 69.545,72.161 71.791,72.161 DT_FL_W_H.1@72.07,71.43 ; DT_FL_W_H.4@70.17,69.03 70.17,67.371 70.358,67.183 R_FL_W_H.1@70.358,65.532 v1(70.358,64.668)
  Signal Layer 1 w0.305: v1(68.453,64.668) v1(70.358,64.668)
NetDT_FL_W_H_2: DT_FL_W_H.2 DT_FL_W_H.5 R_DT_FL_W_H.2 | length 98.2
  Top Layer w0.254: DT_FL_W_H.2@71.12,71.43 DT_FL_W_H.5@71.12,69.03 71.12,56.261 v1(75.565,51.816)
  Signal Layer 1 w0.305: v1(75.565,51.816) 75.794,52.045 78.08,52.045 78.74,52.705 v1(127.381,52.705)
  Bottom Layer w0.508: v1(127.381,52.705) 128.912,51.174 134.907,51.174 136.696,52.963 142.642,52.963 143.789,51.816 143.789,47.752 144.882,46.66 R_DT_FL_W_H.2@145.542,46.66
NetDT_FL_W_L_1: DT_FL_W_L.1 DT_FL_W_L.4 R_FL_W_L.1 | length 9.9
  Top Layer w0.254: DT_FL_W_L.4@70.17,42.868 70.17,42.85 69.85,42.85 69.545,43.155 69.545,45.898 69.85,46.203 71.628,46.203 72.07,45.761 ; R_FL_W_L.1@71.882,48.768 71.882,47.102 72.07,46.914 72.07,45.761 ; DT_FL_W_L.1@72.07,45.268 72.07,45.761
NetDT_FL_W_L_2: DT_FL_W_L.2 DT_FL_W_L.5 R_DT_FL_W_L.2 | length 97.8
  Top Layer w0.254: DT_FL_W_L.5@71.12,42.868 71.12,42.392 70.866,42.138 69.596,42.138 69.088,42.646 69.088,46.279 70.104,47.295 70.612,47.295 71.018,47.701 71.018,49.276 72.39,50.648 75.946,50.648 76.606,51.308 ; DT_FL_W_L.2@71.12,45.268 71.12,44.729 71.374,44.475 74.524,44.475 76.606,46.558 76.606,51.308 ; v1(76.606,54.178) 76.606,51.308
  Signal Layer 1 w0.305: v1(76.606,54.178) 77.826,55.397 v1(129.21,55.397)
  Bottom Layer w0.508: v1(129.21,55.397) 131.648,52.959 133.502,52.959 138.633,58.09 R_DT_FL_W_L.2@139.192,58.09
NetDT_FR_U_H_1: DT_FR_U_H.1 DT_FR_U_H.4 R_FR_U_H.1 | length 7
  Top Layer w0.254: DT_FR_U_H.4@39.632,81.026 DT_FR_U_H.4@39.69,80.968 40.035,81.313 40.035,81.534 40.064,81.534 40.228,81.698 40.42,81.698 41.59,82.868 DT_FR_U_H.1@41.59,83.368 41.59,86.68 R_FR_U_H.1@41.402,86.868
NetDT_FR_U_H_2: DT_FR_U_H.2 DT_FR_U_H.5 R_DT_FR_U_H.2 | length 118.6
  Top Layer w0.254: v3(36.322,88.138) 40.64,83.82 DT_FR_U_H.2@40.64,83.368 40.64,83.312 40.295,82.967 40.295,82.831 40.102,82.638 39.966,82.638 38.862,81.534 38.862,80.264 38.888,80.238 40.102,80.238 40.64,80.776 DT_FR_U_H.5@40.64,80.968
  Signal Layer 1 w0.305: v3(36.322,88.138) 41.91,82.55 133.274,82.55 v1(135.128,80.696)
  Bottom Layer w0.508: v1(135.128,80.696) R_DT_FR_U_H.2@139.192,80.696
NetDT_FR_U_L_1: DT_FR_U_L.1 DT_FR_U_L.4 R_FR_U_L.1 | length 7.3
  Top Layer w0.254: R_FR_U_L.1@39.878,103.632 39.878,105.283 39.69,105.471 DT_FR_U_L.4@39.69,107.13 39.69,108.041 40.361,108.712 41.336,108.712 DT_FR_U_L.1@41.59,109.53
NetDT_FR_U_L_2: DT_FR_U_L.2 DT_FR_U_L.5 R_DT_FR_U_L.2 | length 128.8
  Top Layer w0.254: DT_FR_U_L.5@40.64,107.13 40.64,107.594 ; DT_FR_U_L.2@40.64,109.53 40.64,110.007 40.894,110.261 42.215,110.261 42.215,108.483 41.656,107.925 ; v1(46.38,89.662) 46.38,105.766 44.221,107.925 41.656,107.925 ; 40.64,107.594 40.64,107.671 40.894,107.925 40.97,107.925 ; 40.64,107.594 40.97,107.925 ; 40.97,107.925 41.656,107.925
  Signal Layer 1 w0.305: v1(46.38,89.662) 51.384,84.658 109.753,84.658 112.903,87.808 114.785,87.808 117.96,84.633 133.426,84.633 135.738,82.321 135.738,80.442 135.382,80.086 134.315,80.086 v1(133.706,80.696)
  Bottom Layer w0.508: R_DT_FR_U_L.2@132.842,80.696 v1(133.706,80.696)
NetDT_FR_V_H_1: DT_FR_V_H.1 DT_FR_V_H.4 R_FR_V_H.1 | length 29.5
  Top Layer w0.254: DT_FR_V_H.4@54.93,107.13 54.93,105.471 55.118,105.283 R_FR_V_H.1@55.118,103.632 55.118,101.346 51.333,97.561 50.8,97.561 50.419,97.942 50.419,106.477 54.305,110.363 56.449,110.363 56.83,109.982 DT_FR_V_H.1@56.83,109.53
NetDT_FR_V_H_2: DT_FR_V_H.2 DT_FR_V_H.5 R_DT_FR_V_H.2 | length 111.4
  Top Layer w0.254: v1(55.651,99.593) 55.88,99.822 DT_FR_V_H.5@55.88,107.13 DT_FR_V_H.2@55.88,109.53
  Signal Layer 1 w0.305: v1(55.651,99.593) 55.651,95.275 58.217,92.71 120.802,92.71 124.663,88.849 138.252,88.849 144.486,82.615 v1(144.486,80.696)
  Bottom Layer w0.508: v1(144.486,80.696) R_DT_FR_V_H.2@145.542,80.696
NetDT_FR_V_L_1: DT_FR_V_L.1 DT_FR_V_L.4 R_FR_V_L.1 | length 28.4
  Top Layer w0.254: DT_FR_V_L.4@54.93,80.968 54.93,81.559 51.079,85.41 51.079,91.059 51.816,91.796 53.594,91.796 53.721,91.669 53.721,86.36 54.762,85.319 55.88,85.319 56.716,84.483 ; R_FR_V_L.1@56.642,86.868 56.642,85.202 56.716,84.483 ; 56.716,84.483 56.83,84.369 DT_FR_V_L.1@56.83,83.368 56.716,84.483
NetDT_FR_V_L_2: DT_FR_V_L.2 DT_FR_V_L.5 R_DT_FR_V_L.2 | length 102.4
  Top Layer w0.254: DT_FR_V_L.2@55.88,83.368 DT_FR_V_L.5@55.88,80.968 55.88,80.188 56.388,79.68 59.157,79.68 60.02,80.543 v1(60.02,99.314)
  Signal Layer 1 w0.305: v1(60.02,99.314) 122.58,99.314 v1(129.515,92.38)
  Bottom Layer w0.508: v1(129.515,92.38) R_DT_FR_V_L.2@132.842,92.38
NetDT_FR_W_H_1: DT_FR_W_H.1 DT_FR_W_H.4 R_FR_W_H.1 | length 28.2
  Top Layer w0.254: R_FR_W_H.1@70.358,103.632 70.358,105.232 ; DT_FR_W_H.4@70.424,107.13 70.424,105.4 ; DT_FR_W_H.1@72.324,109.53 72.324,109.946 71.984,110.287 63.729,110.287 62.154,108.712 62.154,104.648 62.84,103.962 69.088,103.962 70.358,105.232 ; 70.358,105.232 70.358,105.334 70.424,105.4 ; 70.358,105.232 70.424,105.298 70.424,105.4
NetDT_FR_W_H_2: DT_FR_W_H.2 DT_FR_W_H.5 R_DT_FR_W_H.2 | length 97.3
  Top Layer w0.254: DT_FR_W_H.2@71.374,109.53 DT_FR_W_H.5@71.374,107.13 71.374,105.918 v1(78.613,98.679)
  Signal Layer 1 w0.305: v1(78.613,98.679) 122.352,98.679 131.039,89.992 143.967,89.992 v1(153.264,80.696)
  Bottom Layer w0.508: R_DT_FR_W_H.2@151.892,80.696 v1(153.264,80.696)
NetDT_FR_W_L_1: DT_FR_W_L.1 DT_FR_W_L.4 R_FR_W_L.1 | length 40.7
  Top Layer w0.254: DT_FR_W_L.4@70.17,80.968 70.17,81.406 68.504,83.072 68.504,92.378 70.717,94.592 70.717,97.997 72.136,99.416 73.152,99.416 74.625,97.942 74.625,87.655 73.838,86.868 R_FR_W_L.1@71.882,86.868 71.882,85.202 72.07,85.014 DT_FR_W_L.1@72.07,83.368
NetDT_FR_W_L_2: DT_FR_W_L.2 DT_FR_W_L.5 R_DT_FR_W_L.2 | length 92.5
  Top Layer w0.254: v1(69.088,87.274) 69.088,83.134 69.596,82.626 70.866,82.626 DT_FR_W_L.2@71.12,83.368 DT_FR_W_L.5@71.12,80.968
  Signal Layer 1 w0.305: v1(69.088,87.274) 69.621,87.808 100.051,87.808 100.584,87.274 110.698,87.274 112.395,88.971 115.293,88.971 118.006,86.258 v1(130.124,86.258)
  Bottom Layer w0.508: v1(130.124,86.258) 128.753,87.63 128.753,93.599 130.048,94.894 136.017,94.894 138.532,92.38 R_DT_FR_W_L.2@139.192,92.38
NetFront_Left_?_3: Front_Left_?.3 STM32_?.45 | length 107.5
  Top Layer w0.254: v1(133.026,52.038) STM32_?.45@136.072,52.038
  Signal Layer 1 w0.305: Front_Left_?.3@29.718,53.34 30.505,52.553 77.572,52.553 78.359,53.34 131.724,53.34 v1(133.026,52.038)
NetFront_Left_Encoder_3: Front_Left_Encoder.3 STM32_?.173 | length 162.5
  Top Layer w0.254: v1(29.175,46.738) Front_Left_Encoder.3@30.316,46.738 ; v1(155.572,75.06) STM32_?.173@155.572,76.038
  Signal Layer 1 w0.305: v1(29.175,46.738) 29.175,44.028 30.709,42.494 134.518,42.494 134.62,42.393 v1(135.89,42.393)
  Signal Layer 2 w0.305: v1(135.89,42.393) 135.89,48.184 136.068,48.362 137.109,48.362 138.14,49.393 138.852,49.393 147.422,57.963 147.422,76.098 150.063,78.74 151.892,78.74 v1(155.572,75.06)
NetFront_Left_Encoder_4: Front_Left_Encoder.4 STM32_?.178 | length 150.2
  Top Layer w0.254: Front_Left_Encoder.4@30.316,45.738 v1(31.496,45.738) ; v1(134.874,43.053) 137.16,45.339 137.16,48.121 140.64,51.601 140.64,64.567 146.202,70.129 150.659,70.129 153.072,72.542 STM32_?.178@153.072,76.038
  Signal Layer 1 w0.305: v1(31.496,45.738) 31.496,43.307 31.75,43.053 v1(134.874,43.053)
NetFront_Left_Encoder_5: Front_Left_Encoder.5 STM32_?.180 | length 155.2
  Top Layer w0.254: v1(28.524,45.542) 29.328,44.738 Front_Left_Encoder.5@30.316,44.738 ; v1(150.978,77.876) 152.072,76.782 STM32_?.180@152.072,76.038
  Signal Layer 1 w0.305: v1(28.524,45.542) 28.524,48.768 30.48,50.724 73.787,50.724 73.939,50.571 76.683,50.571 76.835,50.724 145.847,50.724 v1(147.93,52.807)
  Signal Layer 2 w0.305: v1(147.93,52.807) 150.978,55.855 v1(150.978,77.876)
NetFront_Left_Encoder_6: Front_Left_Encoder.6 STM32_?.53 | length 115.2
  Top Layer w0.254: Front_Left_Encoder.6@30.316,43.738 v1(32.106,43.738) ; STM32_?.53@138.072,46.538 138.072,47.817 v1(138.074,47.819)
  Signal Layer 1 w0.305: v1(32.106,43.738) 32.106,47.041 32.512,47.447 39.345,47.447 40.691,46.101 120.802,46.101 122.555,44.348 134.603,44.348 v1(138.074,47.819)